# KiCad board TRX055.01.01.PB.00.00.kicad_pcb (continued)
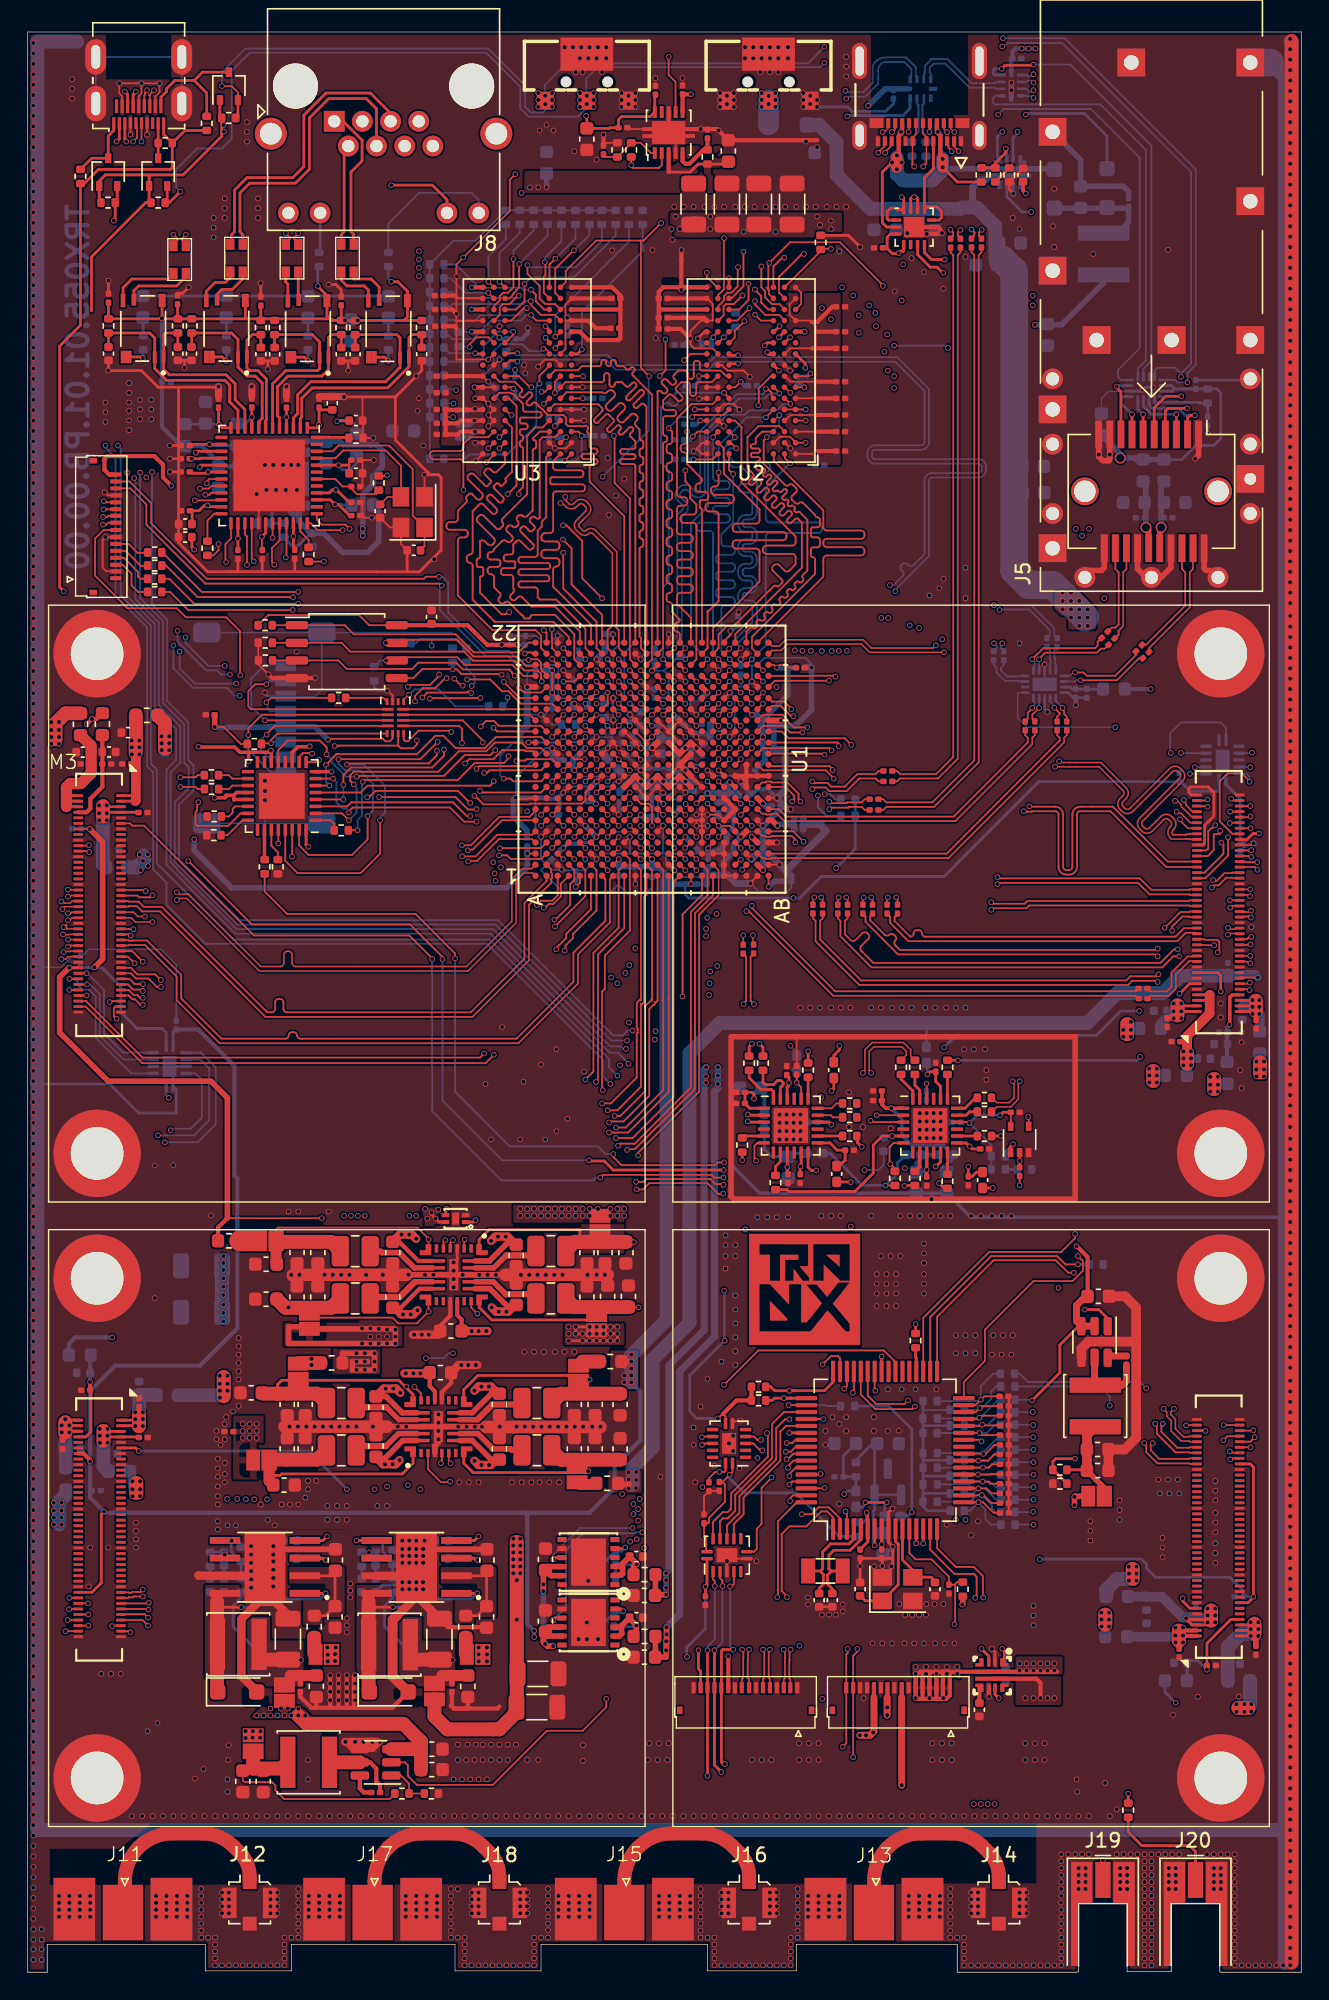
[diagram p0: board, top side]
## Routing (per net, layer and track width the routed paths; a pad name or vN(x,y) marks a point on that pad's centre or on a via; arc(x,y) is an arc through that point) (continued)
/PWR_MP_EN: length 13.9
  Top w0.127: U17.16 65.55,30.55 66.9,29.2 68.2,29.2 68.85,28.55 68.85,27.03 v1(68.88,27)
  Top w0.2: U29.1 70.4,23.15 v1(70.25,23.3)
  In4.Cu w0.127: v1(68.88,27) 69.05,26.82 69.05,25.2 70.25,24 v1(70.25,23.3)
  Bottom w0.2: v1(70.25,23.3) 70.5,23.05 R96.1
/PWR_MP_IMON: length 23.1
  Top w0.127: v1(68.75,38.25) 68.64,38.36 U17.26
  Top w0.2: v1(70,19.75) 69.72,20.03 U29.9
  In2.Cu w0.127: 68.75,38.3 70.12,38.3 71,37.43 71,20.45 70.3,19.75 v1(70,19.75)
/PWR_MP_PG: length 12.3
  Top w0.127: U17.15 65.05,30.45 66.8,28.7 68.2,28.7 68.4,28.5 68.4,27.07 v1(68.3,26.97)
  Top w0.2: v1(68.75,23.3) 69.28,22.78 U29.3
  In4.Cu w0.127: v1(68.75,23.3) 68.75,26.53 v1(68.3,26.97)
/SFP_Port/MOD_DEF0: length 2.7
  Top w0.2: J5.6 v1(80.4,112.25)
  Bottom w0.2: U22.4 80.03,112.62 v1(80.4,112.25) 80.43,112.28
/SFP_Port/MOD_RS: length 3.5
  Top w0.2: J5.7 79.6,112.22
  Bottom w0.2: v1(79.6,112.25) 79.41,112.44 79.4,112.44 78.83,113.01 78.83,113.37 78.98,113.52 U22.5
/SFP_Port/MOD_RX_DIS: length 4.5
  Top w0.2: J5.8 78.8,113.87 78.5,114.17 v1(78.5,114.25)
  Bottom w0.2: v1(78.5,114.25) 78.65,114.25 78.72,114.32 U22.7
/SFP_Port/MOD_TX_DIS: length 4.5
  Top w0.2: J5.3 v1(82.8,112.25)
  Bottom w0.2: U22.3 80.43,112.85 81.03,112.25 v1(82.8,112.25)
/SFP_Port/MOD_TX_FAULT: length 5.8
  Top w0.2: v1(84.13,112.18) 83.78,112.18 83.6,112 J5.2
  Bottom w0.2: U22.2 80.82,112.91 81.05,112.68 82.94,112.68 83.46,112.16 84.11,112.16 v1(84.13,112.18)
/SFP_Port/SFP_RX_N: length 6.8
  Top w0.124: 72.49,94.69 v1(72.4,94.6) 72.54,94.74 72.54,94.75 72.75,94.96 72.76,94.96 73.2,95.4 76.94,95.4 77.12,95.59 77.12,95.86 C260.2
  Bottom w0.124: U26.10 72.57,93.87 72.57,94.43 v1(72.4,94.6)
/SFP_Port/SFP_RX_P: length 6.4
  Top w0.124: 72.81,94.69 v1(72.9,94.6) 72.9,94.64 73.34,95.08 77.07,95.08 77.36,95.36 77.62,95.36 C259.2
  Bottom w0.124: U26.11 v1(72.9,94.6)
/SFP_Port/SFP_TX_N: length 6.4
  Top w0.124: v1(75.9,93.09) 78.52,93.09 80.11,94.67 C262.2
  Bottom w0.124: v1(75.9,93.09) 75.59,93.09 75.5,93 U26.16
/SFP_Port/SFP_TX_P: length 6.3
  Top w0.124: C261.2 79.88,94.91 78.39,93.41 76.34,93.41 76.1,93.65 v1(75.5,93.65)
  Bottom w0.124: U26.15 75.1,93.4 75.35,93.65 v1(75.5,93.65)
/SFP_Port/SFPI_RX_N: length 6.6
  Top w0.124: J5.12 78.4,101.1 78.64,100.86 78.64,97.12 78.4,96.88 78.13,96.88 C260.1
/SFP_Port/SFPI_RX_P: length 6.9
  Top w0.124: J5.13 79.2,101.1 78.96,100.86 78.96,96.98 78.63,96.65 78.63,96.38 C259.1
/SFP_Port/SFPI_TX_N: length 8.8
  Top w0.124: C262.1 80.83,95.4 83.76,98.34 83.76,100.86 84,101.1 J5.19
/SFP_Port/SFPI_TX_P: length 8.5
  Top w0.124: C261.1 80.59,95.63 83.44,98.47 83.44,100.86 83.2,101.1 J5.18
/SMU/ADC1_IN0: length 6.9
  Top w0.127: C295.1 69.62,33.1 68.86,33.86 v1(68.53,33.86) U17.17
  Top w0.2: v1(68.53,33.86) 68.54,33.86
  Bottom w0.127: R111.2 69.45,32.25 69.03,32.68 69.03,33.36 v1(68.53,33.86) 67.91,33.25 R112.1
/SMU/ADC1_IN1: length 8.3
  Top w0.127: U17.18 68.76,34.36 v1(68.78,34.38) 68.9,34.38 69.47,33.8 C296.1
  Top w0.2: v1(68.78,34.38) 68.82,34.38
  Bottom w0.127: R113.2 69.75,33.15 69.5,33.4 69.5,33.65 v1(68.78,34.38) 68.4,34.38 67.92,33.9 R114.1
/SMU/ADC1_IN2: length 5.9
  Top w0.127: U17.19 v1(68.53,34.86) 69.11,34.86 69.47,34.5 C297.1
  Bottom w0.127: R115.2 69.8,34.05 68.99,34.86 v1(68.53,34.86) 68.16,34.5 R116.1
/SMU/ADC1_IN3: length 7.5
  Top w0.127: U17.20 68.81,35.36 v1(68.82,35.35) 69.22,35.35 69.38,35.2 C298.1
  Bottom w0.127: R118.1 67.92,35.15 68.12,35.35 v1(68.82,35.35) 69.38,35.35 69.78,34.95 R117.2
/SMU/ADC1_IN4: length 5.5
  Top w0.127: U17.21 v1(68.5,35.86) 69.36,35.86 69.4,35.9 C299.1
  Bottom w0.127: R120.1 68,35.75 68.11,35.86 v1(68.5,35.86) 68.51,35.85 R119.2
  Bottom w0.2: 67.61,35.86 R120.1
/SMU/ADC1_IN5: length 7.5
  Top w0.127: C300.1 69.5,36.6 69.26,36.36 v1(68.85,36.36) U17.22
  Bottom w0.127: R121.2 69.7,36.75 69.31,36.36 v1(68.85,36.36) 68.84,36.35 R122.1
  Bottom w0.2: 65.57,36.36 R122.1
/SMU/ADC1_IN6: length 5.8
  Top w0.127: U17.23 v1(68.53,36.86) 69.21,36.86 69.65,37.3 C301.1
  Bottom w0.127: R124.1 67.55,36.86 v1(68.53,36.86) 68.54,36.88 69.25,36.88 70.03,37.65 R123.2
  Bottom w0.2: 68.49,36.9 v1(68.53,36.86)
/SMU/ADC1_IN7: length 8.2
  Top w0.127: U17.24 68.86,37.36 v1(68.88,37.35) 69.05,37.35 69.7,38 C302.1
  Bottom w0.127: R125.2 69.97,38.55 68.88,37.45 v1(68.88,37.35) 68.82,37.4 R126.1
  Bottom w0.2: v1(68.88,37.35) 68.8,37.42 ; 65.63,37.42 65.61,37.4
/SMU/ADC1_IN8: length 7.5
  Top w0.127: U17.27 68.59,38.86 v1(68.6,38.85) 68.75,38.7 C303.1
  Bottom w0.127: R127.2 69.74,39.45 69.14,38.85 v1(68.6,38.85) R128.1
/SMU/ADC1_IN9: length 5.7
  Top w0.127: U17.28 68.71,39.36 v1(68.8,39.45) 68.85,39.4 C304.1
  Bottom w0.127: R130.1 68.75,39.4 v1(68.8,39.45) 69.22,39.45 70.12,40.35 R129.2
  Bottom w0.2: 67.56,39.45 R130.1
/SMU/ADC1_IN10: length 7.9
  Top w0.127: U17.29 68.51,39.86 v1(68.6,39.95) 68.75,40.1 C305.1
  Bottom w0.127: R131.2 69.96,41.25 68.66,39.95 v1(68.6,39.95) 68.45,39.95 68.4,39.9 R132.1
  Bottom w0.2: v1(68.6,39.95) 68.7,39.95
/SMU/ADC1_IN11: length 6.4
  Top w0.127: U17.30 68.34,40.36 v1(68.62,40.65) 68.78,40.8 C306.1
  Bottom w0.127: R134.1 68.5,40.53 v1(68.62,40.65) 68.8,40.65 69.45,41.3 69.45,41.85 69.8,42.2 R133.2
/SMU/ADC1_IN15: length 8.8
  Top w0.127: C307.1 68.95,41.5 v1(68.7,41.25) 68.31,40.86 U17.31
  Bottom w0.127: R136.1 68.6,41.15 v1(68.7,41.25) 68.7,42.22 69.6,43.12 R135.2
/SMU/DBG_SMU_SWCLK: length 162.1
  Top w0.127: v1(5.42,104.31) 5.66,104.31 5.79,104.44 J10.9 ; v1(58.85,42.05) 59.05,42.25 U17.46
  In2.Cu w0.127: v1(16.33,34.07) 16.33,32.94 17.23,32.03 17.23,23.66 17.33,23.56 17.33,23.48 17.39,23.42 17.39,23.04 21.56,18.87 33.02,18.87 36.03,21.88 55.83,21.88 56.12,22.18 56.12,23.75 53.08,26.8 53.08,33.35 51.7,34.72 51.7,39.2 53.1,40.6 53.1,41.57 54.3,42.78 56.65,42.78 57.4,42.03 58.7,42.03
  In4.Cu w0.127: 16.33,34.2 16.33,34.82 17.92,36.43 17.92,37.82 ; v1(15.27,91.97) 15.27,91.74 15.13,91.61 15.13,79.87 15.75,79.25 15.75,69.2 17.92,67.03 17.92,37.82 ; 10.4,95.62 10.4,95.95 7.12,99.22 7.12,103.6 6.42,104.3 5.43,104.3 v1(5.42,104.31) ; 17.92,37.82 17.92,37.78
  Bottom w0.127: 15.3,91.97 14.92,91.97 14.35,92.55 11.9,92.55 10.5,93.95 v1(10.5,95.6)
/SMU/DBG_SMU_SWDIO: length 164.4
  Top w0.127: U17.45 59.55,41.82 v1(59.47,41.75) ; J10.10 5.81,104.94 5.72,104.85 v1(5.42,104.85)
  In2.Cu w0.127: 59.45,41.75 59.33,41.62 57.33,41.62 56.5,42.45 54.4,42.45 53.5,41.55 53.5,40.43 52.03,38.95 52.03,34.93 52.05,34.93 53.4,33.57 53.4,26.95 56.47,23.88 56.47,22.05 56,21.57 36.2,21.57 33.23,18.61 21.45,18.61 17.13,22.93 17.13,23.31 17.07,23.37 17.07,23.45 16.98,23.55 16.97,31.93 15.72,33.18 v1(15.72,34.07)
  In4.Cu w0.127: 17.6,37.68 17.6,37.62 ; 17.6,37.68 17.6,36.53 15.72,34.65 15.72,34.18 ; 17.6,37.68 17.6,66.88 15.45,69.03 15.45,79.1 14.88,79.67 14.88,92.7 v1(15.03,92.85) ; v1(5.42,104.85) 6.35,104.85 7.47,103.72 7.47,99.33 10.97,95.83 10.97,95.2
  Bottom w0.127: v1(10.95,95.15) 10.95,93.95 12.05,92.85 v1(15.03,92.85)
/SMU/GPIO0: length 52.4
  Top w0.127: v1(27.88,42.17) 28.35,41.7 U6.20 ; 32.51,47.35 31.96,47.9 U4.20 ; v1(55.8,33) 56.5,33 57,33.5 57.75,33.5 58.55,32.7 U17.2
  In2.Cu w0.127: 32.4,47.45 32.05,47.1 31.25,47.1 30.65,46.5 v1(30.65,44.6) ; v1(28.7,44.25) 28.9,44.05 28.9,43.05 28.02,42.17 v1(27.88,42.17) 27.8,42.1 27.8,33.7 28.5,33 40.74,33 41.19,32.55 v1(44,32.55)
  In2.Cu w0.3: v1(32.41,47.45) 32.4,47.45
  In4.Cu w0.127: v1(55.8,33) 55.18,33 54.88,32.7 44.75,32.7 44.6,32.55 v1(44,32.55)
  Bottom w0.127: v1(30.65,44.6) 30.35,44.6 30,44.25 28.75,44.25
/SMU/GPIO2: length 180.3
  Top w0.127: U17.58 55.2,36.86 54.8,36.46 v1(54.8,36.35) ; v1(46.2,138) 46.2,136.7 46.7,136.2 U15.7
  In4.Cu w0.127: v1(42.5,64.6) 45.4,61.7 45.4,39.3 49.53,35.17 53.77,35.17 54.56,35.96 54.56,36.22 54.69,36.35 v1(54.8,36.35) ; v1(46.2,138) 45.89,138.31 39.21,138.31 ; 6.65,125.15 7.8,126.3 12.3,126.3 13.7,127.7 13.7,135.01 17.51,138.82 34.78,138.82 34.9,138.7 36.3,138.7 36.69,138.31 39.21,138.31 ; 6.65,125.15 6.6,125.1 ; 6.65,125.15 6.5,125 v1(6.5,110) ; 39.21,138.31 39.2,138.3
  Bottom w0.127: v1(42.5,64.6) 41.9,65.2 41.9,65.8 33.3,74.4 14.8,74.4 9.3,79.9 9.3,86.65 8.88,87.08 8.88,97.03 6.7,99.2 6.7,109.8 v1(6.5,110)
/SMU/GPIO3: length 147.4
  Top w0.127: v1(35.4,92.55) 35.63,92.32 35.68,92.32 35.79,92.21 37.01,92.21 U1.B18
  Top w0.2: R157.2 53.66,41.2 53.82,41.36 55.07,41.36 ; 55.07,41.36 U17.49 ; 55.07,41.36 v1(54.5,41.36)
  In2.Cu w0.127: v1(35.4,92.55) 33.98,92.55 33.7,92.83 32.97,92.83 30.8,95 30.8,97.36 27.62,100.54 27.62,103.35 23.12,107.85 15.85,107.85 12.95,110.75 9.35,110.75 8.11,109.51 v1(8.11,108.05)
  In4.Cu w0.127: v1(43.2,67.13) 43.23,67.1 43.23,66.97 47.05,63.15 47.05,51.9 48,50.95 48,42.05 48.7,41.35 54.49,41.35 v1(54.5,41.36)
  Bottom w0.127: v1(43.2,67.13) 42.07,67.13 33.72,75.48 15.12,75.48 10.6,80 10.6,84.3 11.6,85.3 11.6,86.83 11.28,87.15 11.28,89.92 9.75,91.45 9.75,97.35 8.1,99 8.1,107.99 8.11,108 v1(8.11,108.05)
/SMU/GPIO4: length 161.2
  Top w0.127: v1(27.91,91.57) 27.91,91.96 28.48,92.52 29.37,92.52 30.09,93.24 v1(30.2,93.24) ; U1.C14 v1(37.8,89)
  Top w0.2: R158.2 53.54,42.18 53.55,42.19 53.84,41.9 55.33,41.9 ; v1(54.9,41.9) 55.33,41.9 ; 55.33,41.9 57.42,41.9 58.05,42.53 U17.48
  In2.Cu w0.127: v1(37.8,89) 31.9,89 31.73,89.17 31.02,89.17 30.5,88.65 30.5,88.05 29.85,87.4 28.79,87.4 27.37,88.82 27.37,91.41 27.53,91.57 v1(27.91,91.57) ; 11.08,109.06 11.49,108.65 12.08,108.65 12.24,108.8 13.96,108.8 15.56,107.2 18.17,107.2 ; 11.08,109.06 10.99,109.15 ; 11.08,109.06 10.58,109.56 9.26,109.56 8.96,109.26 v1(8.96,108.09) ; 18.17,107.2 22.93,107.2 27,103.13 27,100.31 30.2,97.11 v1(30.2,93.24) ; 18.17,107.2 18,107.2
  In4.Cu w0.127: v1(54.9,41.9) 54.35,41.9 54.25,41.8 48.8,41.8 48.3,42.3 48.3,51.15 47.45,52 47.45,63.25 43.6,67.1 v1(43.6,67.85)
  Bottom w0.127: 43.55,67.85 43.25,67.85 42.9,67.5 42.2,67.5 33.9,75.8 15.3,75.8 10.9,80.2 10.9,84.1 11.95,85.15 11.95,86.96 11.58,87.34 11.58,90.05 10.05,91.58 10.05,97.45 8.96,98.54 v1(8.96,108.09)
/SMU/GPIO9: length 28.8
  Top w0.127: v1(58.95,33.2) 59.05,33.1 U17.3
  Top w0.2: v1(37.87,25.38) 38.02,25.53 U8.9
  In4.Cu w0.127: v1(44.3,31.7) 44.4,31.7 44.45,31.65 45.2,31.65 45.65,32.1 56.16,32.1 56.73,32.67 58.42,32.67 v1(58.95,33.2)
  Bottom w0.127: v1(37.87,25.38) 38.8,26.31 38.8,30.4 40.04,31.64 43.75,31.64 43.82,31.7 v1(44.3,31.7)
/SMU/GPIO10: length 29.9
  Top w0.127: v1(57.35,39.85) 57.34,39.86 U17.52
  Top w0.2: U5.9 38,29.88 v1(37.87,29.75)
  In4.Cu w0.127: v1(43.6,32) 43.8,32 43.96,32.16 44.86,32.16 45.1,32.4 55.9,32.4 58.2,34.7 58.2,38.95 57.35,39.8
  Bottom w0.127: v1(43.6,32) 39.8,32 37.87,30.07 v1(37.87,29.75)
/SMU/GPIO11: length 48.6
  Top w0.127: v1(57.3,43.8) 57.9,44.4 58.4,44.4 58.55,44.25 U17.47 ; v1(43.85,56.95) 44.37,56.95 44.57,57.15 49.2,57.15 49.57,56.78 50.1,56.78
  Top w0.2: U24.3 30.11,54.91 v1(30.2,55)
  In2.Cu w0.127: v1(43.85,56.95) 43.44,56.54 43.44,54.35 43.19,54.1 35.28,54.1 34.38,55 v1(30.2,55) ; v1(50.15,56.73) 49.8,56.73 49.33,56.26 49.33,55.43 48.5,54.6 48.5,44.83 50.25,43.08 55.88,43.08 56.6,43.8 v1(57.3,43.8)
/SMU/I2C1_SCL_A: length 62.3
  Top w0.127: v1(29.78,36.67) 29.85,36.75 U6.5 ; U17.60 57.11,35.86 v1(57.15,35.9)
  Top w0.2: U16.3 51.95,61.25 v1(51.9,61.3)
  In2.Cu w0.127: v1(29.78,36.67) 29.4,36.3 29.4,34.7 30.15,33.95 41.19,33.95 41.4,33.74 v1(43.65,33.74)
  In4.Cu w0.127: v1(43.65,33.74) 54.14,33.74 56.05,35.65 ; v1(51.9,61.3) 52.7,61.3 53.8,60.2 53.8,58.3 56.05,56.05 56.05,35.65 ; 56.05,35.65 56.05,35.9 v1(57.15,35.9) ; v1(29.78,36.67) 29.78,36.83
/SMU/I2C1_SCl_B: length 82.9
  Top w0.127: v1(61.2,61.75) U13.2 ; v1(57.45,34.9) 57.41,34.86 U17.62 ; v1(30.1,52.75) 29.96,52.61 U4.6
  In2.Cu w0.127: v1(30.1,52.75) 29.95,52.6 29.95,42.95 28.7,41.7 28.7,34.43 29.83,33.3 40.91,33.3 41.35,32.86 43.5,32.86 v1(43.65,33.01)
  In4.Cu w0.127: v1(61.2,61.75) 61.2,59.55 56.65,55 56.65,37.7 57.9,36.45 57.9,35.6 57.45,35.15 v1(57.45,34.9) 57.45,35.05 ; v1(43.65,33.01) 54.68,33.01 56.53,34.85 57.45,34.85
  Bottom w0.127: 43.85,33.01 43.75,33.11 v1(43.65,33.01)
/SMU/I2C1_SDA_A: length 61.6
  Top w0.127: U17.61 55.11,35.36 v1(54.9,35.15) ; v1(30.48,36.67) 30.35,36.8 U6.6
  Top w0.2: U16.2 51.95,61.75 v1(51.9,61.8)
  In2.Cu w0.127: v1(44.11,34.1) 43.99,34.22 43.42,34.22 43.3,34.1 41.56,34.1 41.41,34.25 30.35,34.25 29.75,34.85 29.75,35.85 30.48,36.58 v1(30.48,36.67)
  In4.Cu w0.127: v1(51.9,61.8) 51.5,61.8 51.2,61.5 51.2,61.2 51.65,60.75 52.65,60.75 53.55,59.85 53.55,58.15 55.75,55.95 55.75,35.79 55.36,35.4 55.15,35.4 v1(54.9,35.15) 54.9,35.05 54,34.15 44.16,34.15 v1(44.11,34.1)
/SMU/I2C1_SDA_B: length 81.4
  Top w0.127: v1(54.95,33.95) 54.95,34.15 55.16,34.36 U17.63 ; U4.5 30.46,52.56 v1(30.65,52.75) ; v1(60.75,61.35) 60.85,61.25 U13.3
  In2.Cu w0.127: v1(44,33.37) 41.31,33.37 41.08,33.6 30,33.6 29.1,34.5 29.1,41.5 30.3,42.7 30.3,44.43 30.29,44.45 30.29,44.75 30.3,44.77 30.3,51.8 30.51,52.01 30.51,52.61 v1(30.65,52.75)
  In4.Cu w0.127: v1(60.75,61.35) 60.75,59.55 56.35,55.15 56.35,37.55 57.6,36.3 57.6,35.7 57.3,35.4 56.35,35.4 54.95,34 v1(54.95,33.95) 54.37,33.37 v1(44,33.37)
  Bottom w0.127: v1(44,33.37) 44.02,33.35
/SMU/nRST: length 155.3
  Top w0.127: R110.2 67,28.11 66.81,27.92 ; J10.8 5.46,103.91 4.85,103.3 4.85,100.62 6.85,98.62 6.85,98.6 7.17,98.28 10.75,98.28 11.39,97.62 14.3,97.62 15.3,96.62 15.3,93.5 ; 66.81,27.92 C294.1 ; 66.81,27.92 66.85,27.88 66.85,25.12 v1(66.8,25.07) ; U17.12 63.55,30.2 64,29.75 65.15,29.75 66.4,28.5 66.4,28.07
  In2.Cu w0.127: v1(17.25,34.07) 18.38,32.95 18.38,22.41 21.57,19.21 32.78,19.21 35.8,22.22 54.9,22.22 55.62,22.95 55.62,23.47
  In4.Cu w0.127: v1(55.62,23.53) 55.62,23.93 56.25,24.55 65.7,24.55 66.25,25.1 66.8,25.1 ; v1(15.33,93.45) 15.66,93.12 15.66,91.66 15.45,91.45 15.45,80 16.05,79.4 16.05,69.39 18.25,67.19 18.25,36.31 17.25,35.31 17.25,34.1
/SMU/SPI2_MISO: length 11.1
  Top w0.127: U32.10 50.9,32.3 51.6,33 51.6,34.2 54.25,36.85 54.25,38.95 54.66,39.36 U17.53
/SMU/SPI2_MOSI: length 12.3
  Top w0.127: v1(53.29,38.85) 53.35,38.79 53.35,37.15 50.7,34.5 50.7,33.4 50.45,33.15 50.1,33.15 49.4,32.45 U32.13
  Top w0.2: U17.54 v1(54.9,38.86)
  In2.Cu w0.127: v1(54.9,38.86) 54.89,38.85 v1(53.29,38.85)
/SMU/SPI2_NSS: length 16.7
  Top w0.127: v1(54.9,39.85) 54.6,39.85 53.95,39.2 53.95,36.95 51.3,34.3 51.3,33.1 50.4,32.2 U32.11 ; v1(54.85,40.86) U17.50
  In2.Cu w0.127: v1(54.85,40.86) 54.85,39.9 v1(54.9,39.85)
  Bottom w0.127: v1(54.85,40.86) 57.54,40.86 57.6,40.8 R109.2
/SMU/SPI2_SCK: length 12.9
  Top w0.127: U32.12 49.9,32.5 50.1,32.7 50.45,32.7 51,33.25 51,34.4 53.65,37.05 53.65,39.5 54.51,40.36 U17.51
/SMU/USART2_RX: length 6.8
  Top w0.127: U33.5 52.35,38.6 52.6,38.35 v1(52.85,38.35) ; v1(54.65,37.5) 55,37.5 55.36,37.86 U17.56
  In4.Cu w0.127: v1(54.65,37.5) 55,37.5 55.4,37.9 55.4,38.15 55.05,38.5 53.6,38.5 53.6,38.5 53.45,38.35 v1(52.85,38.35)
/SMU/USART2_TX: length 4.9
  Top w0.127: v1(54.7,38.13) 55.12,38.13 55.35,38.36 U17.55 ; U33.4 52.3,38.1 52.8,37.6 v1(52.95,37.6)
  In4.Cu w0.127: v1(54.7,38.13) 54.68,38.15 53.95,38.15 53.4,37.6 v1(52.95,37.6)
/SMU/USART3_RX: length 152.7
  Top w0.127: U17.1 58.05,32.78 57.62,33.2 57.2,33.2 56.12,32.12 54.9,32.12 54.35,31.57 54.35,27.47 54.7,27.12 ; J10.12 5.56,105.91 5.47,106 v1(5.47,106)
  In2.Cu w0.127: v1(14.38,34.1) 14.38,33.79 16.47,31.7 16.47,23.01 16.62,22.85 16.62,22.72 21.24,18.1 33.56,18.1 33.76,18.3 33.9,18.3 36.55,20.95 56.4,20.95 57.17,21.72 57.17,24.12 54.83,26.47 54.83,26.93 v1(54.72,27.03)
  In4.Cu w0.127: 11.35,96.22 11.35,96.7 10.95,97.1 10.55,97.1 8.17,99.47 8.17,104.08 6.25,106 5.48,106 5.47,105.99 v1(5.47,106) ; 17,37.75 17,37.68 ; 17,37.75 17,36.84 14.4,34.24 14.4,34.12 14.42,34.1 ; 17,37.75 17,52.42 16.97,52.45 16.97,66.6 14.85,68.72 14.85,78.83 14.3,79.38 14.3,93.22 14.18,93.34 14.18,93.66 14.3,93.78 14.3,94.03 v1(14.2,94.12)
  Bottom w0.127: 14.17,94.12 13.03,94.12 11.38,95.78 v1(11.38,96.17)
/SMU/USART3_TX: length 149.3
  Top w0.127: 54.08,27.57 54.08,27.15 54,27.07 ; 54.08,27.57 54.08,32.5 55.44,33.86 U17.64 ; 54.08,27.57 54.08,27.47 ; J10.11 5.69,105.41 5.67,105.39 v1(5.45,105.39)
  In2.Cu w0.127: v1(15.1,34.1) 15.1,33.43 16.72,31.8 16.72,23.44 16.82,23.35 16.82,23.26 16.88,23.2 16.88,22.82 21.34,18.35 33.45,18.35 36.38,21.28 56.2,21.28 56.83,21.9 56.83,24 54.35,26.47 54.35,26.7 v1(54.03,27.03)
  In4.Cu w0.127: v1(5.45,105.39) 5.45,105.4 6.33,105.4 7.88,103.85 7.88,99.35 10.48,96.75 10.7,96.75 v1(10.8,96.65) ; 15.08,34.15 15.08,34.47 17.3,36.7 17.3,37.55 ; 17.3,37.55 17.3,66.72 15.15,68.88 15.15,78.96 14.58,79.54 v1(14.58,93.5) ; 17.3,37.55 17.3,37.5
  Bottom w0.127: v1(10.8,96.65) 10.8,95.85 12.85,93.8 13.65,93.8 13.95,93.5 14.6,93.5
/SMU/VREF: length 12.7
  Top w0.2: U17.7 v1(61.05,30.76)
  Bottom w0.2: R86.1 59.7,36.89 60.89,38.08 C323.1 61.24,37.9 61.05,37.71 U18.2 ; U18.2 61.05,33.31 60.97,33.24 60.97,31.04 61.05,30.96 v1(61.05,30.76) ; U18.2 U18.1
/SMU_CS: length 64
  Top w0.127: v1(53.62,35.65) 53.62,35.62 52.9,34.9 52.9,32.3 52.55,31.95 52.55,30.5 52.35,30.3 U32.8 ; U1.J6 v1(43.4,83.4)
  In4.Cu w0.127: v1(42.7,65.35) 45.85,62.2 45.85,51.55 47.1,50.3 47.1,38.05 49.66,35.49 50.44,35.49 50.45,35.49 50.75,35.49 50.76,35.49 53.01,35.49 53.17,35.65 v1(53.62,35.65) ; 42.72,65.38 41.62,66.47 41.62,68.08 44.05,70.5 44.05,71.1 ; 43.8,82.47 43.8,81.62 43.4,81.22 43.4,79.53 43.21,79.33 43.21,73.23 44.05,72.39 44.05,71.1 ; 44.05,71.1 44.05,71.05 ; v1(43.4,83.4) 43.4,83.15 43.8,82.75 43.8,82.53
/SYS_I2C_SCL: length 439.8
  Top w0.127: v1(59.1,23.3) 59.1,23 59,22.9 J24.16 59,16.5 v1(58.75,16.25) ; v1(85.05,84.5) 84.97,84.42 M1.77 ; 6.3,69.58 6.21,69.48 6.21,68.89 v1(6.4,68.7) ; 6.3,69.58 6.28,69.58 ; 6.3,69.58 M3.77 ; U17.43 60.55,41.55 61.15,40.95 63.2,40.95 v1(63.45,41.2) ; 7.5,24.5 7.42,24.57 M4.77 ; v1(83.5,39.4) 83.53,39.43 M2.77
  Top w0.2: v1(11,128.3) 10.2,127.5 R103.2 10.05,127.64 Q1.2 ; 65.95,122.45 65.55,122.85 65.05,122.85 64.14,123.76 U25.6 ; J5.5 81.2,112.72 82.03,113.55 82.95,113.55
  In2.Cu w0.127: 72.4,120.1 69.45,120.1 67.1,122.45 v1(66,122.45) ; v1(66.9,32.6) 66.9,31.9 66.4,31.4 66.4,26.1 65.4,25.1 60,25.1 59.1,24.2 v1(59.1,23.3)
  In4.Cu w0.127: v1(70.25,138.75) 69.85,138.75 69.4,139.2 59.1,139.2 57.47,137.57 ; 7,24.5 7,42.1 11.12,46.22 11.12,63.78 6.3,68.6 v1(6.4,68.7) 6.4,68.9 6.8,69.3 6.8,88.9 ; 7,24.5 v1(7.4,24.5) ; 7,24.5 7.13,24.37 7.13,23.02 14.15,16 58.75,16 ; v1(63.45,41.2) 63.45,40.62 63.67,40.4 67.2,40.4 67.5,40.1 67.5,33.2 v1(66.9,32.6) ; 83.9,39.4 84.47,39.97 84.47,42.42 80.62,46.28 80.62,62.3 82.22,63.9 82.22,66.44 83.54,67.75 83.54,83.69 84.14,84.29 84.69,84.29 84.9,84.5 v1(85.05,84.5) 84.78,84.78 83.57,84.78 81.35,87 81.35,97.97 83.22,99.85 83.22,114.6 83.12,114.7 v1(83.12,114.95) 83.12,115.62 83.85,116.35 83.85,119.6 83.1,120.35 72.7,120.35 v1(72.45,120.1) ; 83.9,39.4 83.9,23.8 76.1,16 58.75,16 ; 83.9,39.4 v1(83.5,39.4) ; v1(58.75,16.25) 58.75,16
  Bottom w0.127: v1(11,128.3) 10.7,128.6 10.7,129.9 12.2,131.4 ; v1(70.25,138.75) 70.4,138.75 70.65,139 74.55,139 83.85,129.7 83.85,115.9 83.12,115.17 ; 83.12,115.17 82.69,115.61 81.44,115.61 81.22,115.4 U22.12 ; 83.12,115.17 v1(83.12,114.95) ; 12.2,131.4 14,131.4 14.7,132.1 14.7,137 16,138.3 33.05,138.3 35.5,135.85 35.5,134.3 36.1,133.7 39.67,133.7 40.25,134.28 40.25,136.43 41.08,137.26 41.24,137.26 41.25,137.26 41.55,137.26 41.56,137.26 52.64,137.26 52.65,137.26 52.95,137.26 52.96,137.26 53.34,137.26 53.35,137.26 53.65,137.26 53.66,137.26 53.94,137.26 53.95,137.26 54.25,137.26 54.26,137.26 57.11,137.26 v1(57.42,137.57) ; 12.2,131.4 12.1,131.3
  vias: v1(39.8,135.4) v1(39.8,134.9) v1(39.8,134.4) v1(40.3,135.2) v1(40.3,134.6) v1(40.8,135.4) v1(40.8,134.9) v1(40.8,134.4) v1(83.15,113.55)
/SYS_I2C_SDA: length 433.2
  Top w0.127: v1(59.8,23.3) 59.8,23.1 59.5,22.8 J24.15 v1(59.5,15.5) ; M3.75 5.97,69.97 v1(5.9,69.9) ; M1.75 85,84.03 v1(85.05,83.97) ; v1(14,135.9) 14.7,135.9 15.15,135.45 Q2.2 ; v1(63.95,40.76) 63.95,40.75 63.78,40.57 61.1,40.57 60.05,41.62 U17.44 ; v1(6.08,24.94) 6.11,24.97 M4.75
  Top w0.2: R104.2 15.15,133.75 Q2.2 ; v1(66.1,123.4) 65.15,123.4 64.64,123.91 U25.7 ; v1(83.59,112.68) 82.21,112.68 82,112.47 J5.4 ; v1(84.9,39) 84.88,39.03 M2.75
  In2.Cu w0.127: v1(67.6,32.6) 67.6,31.9 66.85,31.15 66.85,26.1 65.55,24.8 60.5,24.8 59.8,24.1 v1(59.8,23.3) ; v1(66.1,123.4) 66.65,123.4 69.55,120.5 72.1,120.5 72.4,120.8
  In4.Cu w0.127: 84.2,39 84.2,23.7 76.2,15.7 59.25,15.7 ; 84.2,39 84.2,39.3 84.8,39.9 84.8,42.62 80.97,46.45 80.97,62.22 82.55,63.8 82.55,66.3 83.8,67.55 83.8,83 84.78,83.97 v1(85.05,83.97) 85.43,83.97 85.75,84.3 85.75,84.7 85.35,85.1 83.75,85.1 81.7,87.15 81.7,97.83 83.65,99.78 83.65,114.5 v1(83.6,114.55) 84.3,115.25 84.3,119.65 83.15,120.8 v1(72.45,120.8) ; 84.2,39 v1(84.9,39) ; 6.6,25 6.6,42.1 10.85,46.35 10.85,48.45 10.85,48.45 10.85,48.75 10.85,48.75 10.85,54.45 10.85,54.45 10.85,54.75 10.85,54.75 10.85,58 10.85,58 10.85,58.3 10.85,58.3 10.85,63.65 6,68.5 6,68.95 6.57,69.52 6.57,69.9 ; 6.6,25 6.6,24.68 6.77,24.5 6.77,24.41 6.91,24.27 6.91,22.79 14,15.7 59.25,15.7 ; 6.6,25 6.14,25 v1(6.08,24.94) ; v1(63.95,40.76) 64.09,40.9 67.5,40.9 68,40.4 68,33 v1(67.6,32.6) ; 6.57,85.86 6.57,85.93 ; 6.57,85.86 6.57,69.9 ; 6.57,85.86 6.57,89.15 ; 59.25,15.7 59.45,15.5 v1(59.5,15.5) ; 6.57,69.9 v1(5.9,69.9) ; 57.42,138.75 58.17,139.5 69.65,139.5 69.8,139.35 v1(70.3,139.35)
  Bottom w0.127: 57.05,138.35 v1(57.42,138.72) ; 57.05,138.35 56.24,137.54 38.84,137.54 37.28,135.97 37.28,134.68 ; 57.05,138.35 57,138.3 ; v1(70.3,139.35) 74.75,139.35 84.2,129.9 84.2,115.82 83.6,115.22 v1(83.6,114.55) 82.85,114.55 82.68,114.72 U22.13 ; v1(14,135.9) 14,136.9 15.7,138.6 33.2,138.6 35.85,135.95 35.85,134.4 36.25,134 37.15,134 37.3,134.15 v1(37.3,134.6)
  vias: v1(36.8,135.4) v1(36.8,134.9) v1(36.8,134.4) v1(37.3,135.2) v1(37.8,135.4) v1(37.8,134.9) v1(37.8,134.4)
/SYS_MISO: length 307.7
  Top w0.127: M2.68 86.7,37.43 ; v1(50.62,27.8) 50.75,27.8 50.9,27.95 U32.5 ; 41.1,64.28 41.1,73.33 43,75.22 U1.J1 ; M4.68 4.4,26.57
  Top w0.2: 50.2,14.95 50,15.15 J23.12 50,23.15 50.1,23.25 v1(50.85,23.25)
  In2.Cu w0.127: 40.97,64.12 v1(40.97,64.14) 40.44,63.61 38.84,63.61 36.34,61.11 10.73,61.11 10.65,61.03 10.65,61.01 v1(10.3,60.66)
  In4.Cu w0.127: v1(83.12,87.85) 83.12,86.2 83.7,85.62 85.72,85.62 86.03,85.32 86.03,84.13 85.45,83.55 85.1,83.55 84.4,82.85 84.4,65.04 81.57,62.22 81.57,46.92 86.65,41.85 v1(86.65,37.53) 86.18,37.05 86.18,36.8 86.53,36.45 86.53,25.22 76.18,14.88 13.78,14.88 8.06,20.59 4.98,20.59 3.95,21.62 3.95,23.1 ; 3.88,86.34 3.88,88.21 6.24,90.57 ; 3.88,86.34 3.88,68.45 10.12,62.21 10.12,60.85 v1(10.3,60.66) 10.25,60.62 10.25,59.65 10.12,59.52 10.12,46.03 3.95,39.86 3.95,27.07 4.35,26.68 v1(4.35,26.57) 4.15,26.57 3.95,26.38 3.95,23.1 ; 3.88,86.34 3.88,86.43 ; 3.95,23.1 3.95,23
  Bottom w0.127: v1(83.12,87.85) 83.14,87.84 U19.5 ; U23.5 12.09,64.76 12.55,64.3 12.55,61.58 11.75,60.78 10.41,60.78 v1(10.3,60.66) ; v1(50.85,23.25) 50.62,23.47 v1(50.62,27.8)
  vias: v1(50.25,15)
/SYS_MOSI: length 315.1
  Top w0.127: M2.70 88.18,37.82 ; v1(2.98,26.15) 3,26.18 M4.70 ; v1(40.19,64.32) 40.78,64.9 40.78,73.45 42.59,75.27 42.59,79.39 U1.J2 ; v1(49.53,27.82) 49.53,28.18 49.4,28.3 U32.2
  Top w0.2: 49,14.25 J23.14 v1(49,23.2)
  In2.Cu w0.127: v1(9.39,60.3) 9.42,60.34 9.42,60.39 10.33,61.3 10.56,61.3 10.63,61.36 36.23,61.36 39.07,64.2 40.08,64.2
  In4.Cu w0.127: 48.95,23.25 v1(49,23.2) ; 6.11,91.13 3.4,88.42 3.4,68.1 9.53,61.97 9.53,46.27 3.4,40.13 3.4,28.19 2.35,27.15 2.35,26.72 2.92,26.15 v1(2.98,26.15) 3.27,25.85 3.27,21.15 4.5,19.93 7.9,19.93 13.55,14.28 48.88,14.28 v1(49,14.15) 49.2,13.95 50.5,13.95 50.83,14.28 76.53,14.28 87.15,24.9 87.15,36.15 88.15,37.15 v1(88.15,37.82) 88.15,38.28 87.47,38.95 87.47,42.1 82.4,47.17 82.4,47.17 82.12,47.45 82.13,61.38 84.83,64.08 84.83,64.65 84.84,64.66 84.84,64.68 85.3,65.14 85.3,72.8 85.1,73 85.1,74.35 84.96,74.5 84.96,77.98 84.96,77.99 84.96,78.51 84.96,78.51 84.96,82.56 85.44,83.04 85.66,83.04 85.82,83.2 87.2,83.2 87.5,83.5 87.5,85.1 85.78,86.83 v1(84.12,86.83)
  Bottom w0.127: v1(84.12,86.83) 84.14,86.84 U19.3 ; U23.3 12.44,65.76 13.08,65.12 13.08,61.38 12,60.3 v1(9.39,60.3) ; v1(49,23.2) 49,23.47 49.53,24 v1(49.53,27.82)
/SYS_SCK: length 314.7
  Top w0.127: 41.4,66.95 41.4,63.58 ; 41.4,66.95 41.4,66.9 ; 41.4,66.95 41.4,70.65 41.6,70.85 41.6,73.25 43.4,75.05 43.4,80.2 U1.J3 ; v1(50.08,27.82) 50.08,28.22 49.9,28.4 U32.3 ; M4.66 v1(3,26.97) ; M2.66 86.75,37.03 v1(86.68,36.95)
  Top w0.2: v1(50,14.43) 49.5,14.93 J23.13 49.5,23.3
  In2.Cu w0.127: v1(9.89,59.8) 11.08,59.8 12.13,60.85 36.44,60.85 38.7,63.11 41.01,63.11 v1(41.45,63.55)
  In4.Cu w0.127: 3.65,86.92 3.65,68.27 9.83,62.1 9.83,46.12 3.68,39.98 3.68,27.65 v1(3,26.97) 3.55,26.43 3.55,21.38 4.65,20.28 7.95,20.28 13.67,14.55 76.35,14.55 86.85,25.05 86.85,36.78 v1(86.68,36.95) 87.07,37.35 87.07,41.97 81.85,47.2 81.85,61.1 81.87,61.12 81.87,61.48 84.58,64.19 84.58,64.75 84.59,64.76 84.59,64.79 85.04,65.25 85.04,72.66 84.7,73 84.7,82.79 85.21,83.3 85.56,83.3 86.29,84.03 86.29,84.25 86.29,84.25 86.29,85.66 85.6,86.35 v1(83.78,86.35) 83.62,86.5 ; 3.65,86.92 3.65,86.97 ; 3.65,86.92 3.65,88.31 6.17,90.83 ; 49.55,23.25 v1(49.5,23.2)
  Bottom w0.127: v1(9.89,59.8) 12.25,59.8 13.55,61.1 13.55,65.2 12.49,66.26 U23.2 ; v1(49.5,23.2) 50.08,23.78 v1(50.08,27.82) ; U19.2 83.79,86.34 v1(83.78,86.35)
